# Altium PCB FMC_ADC_130M_16B_4CH.PcbDoc (part 1 of 8) (continued)
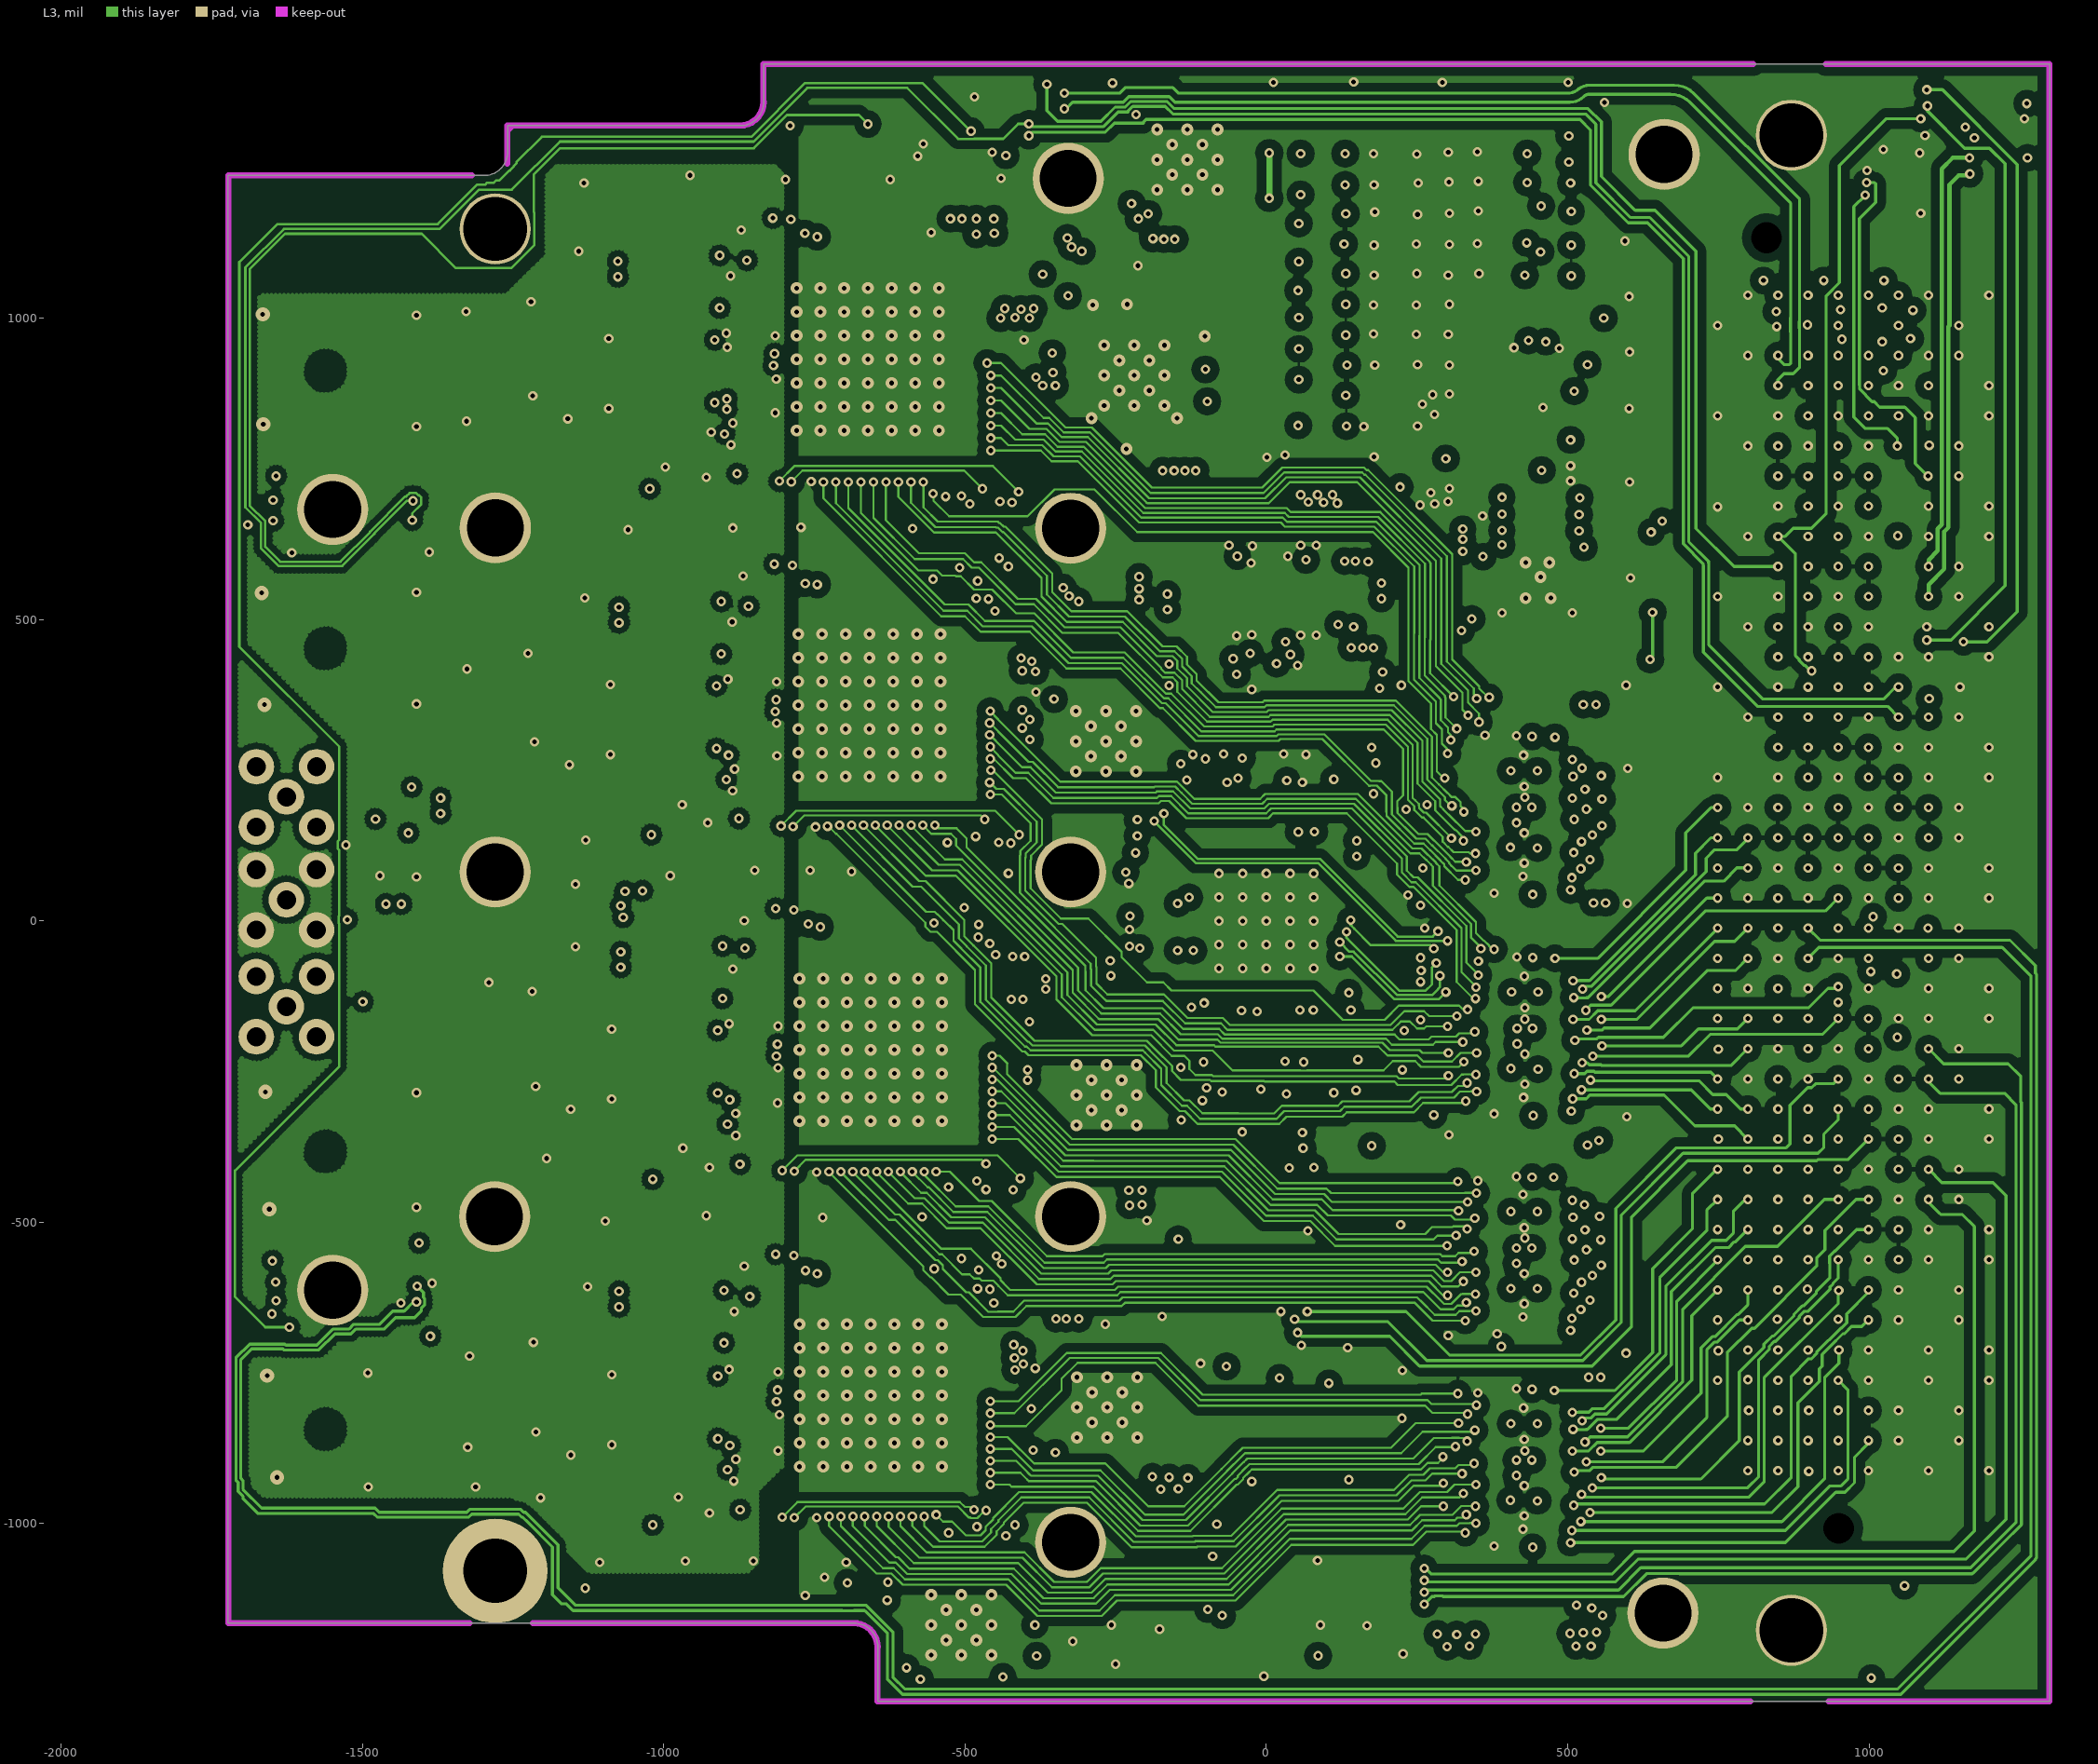
[diagram p3: L3]
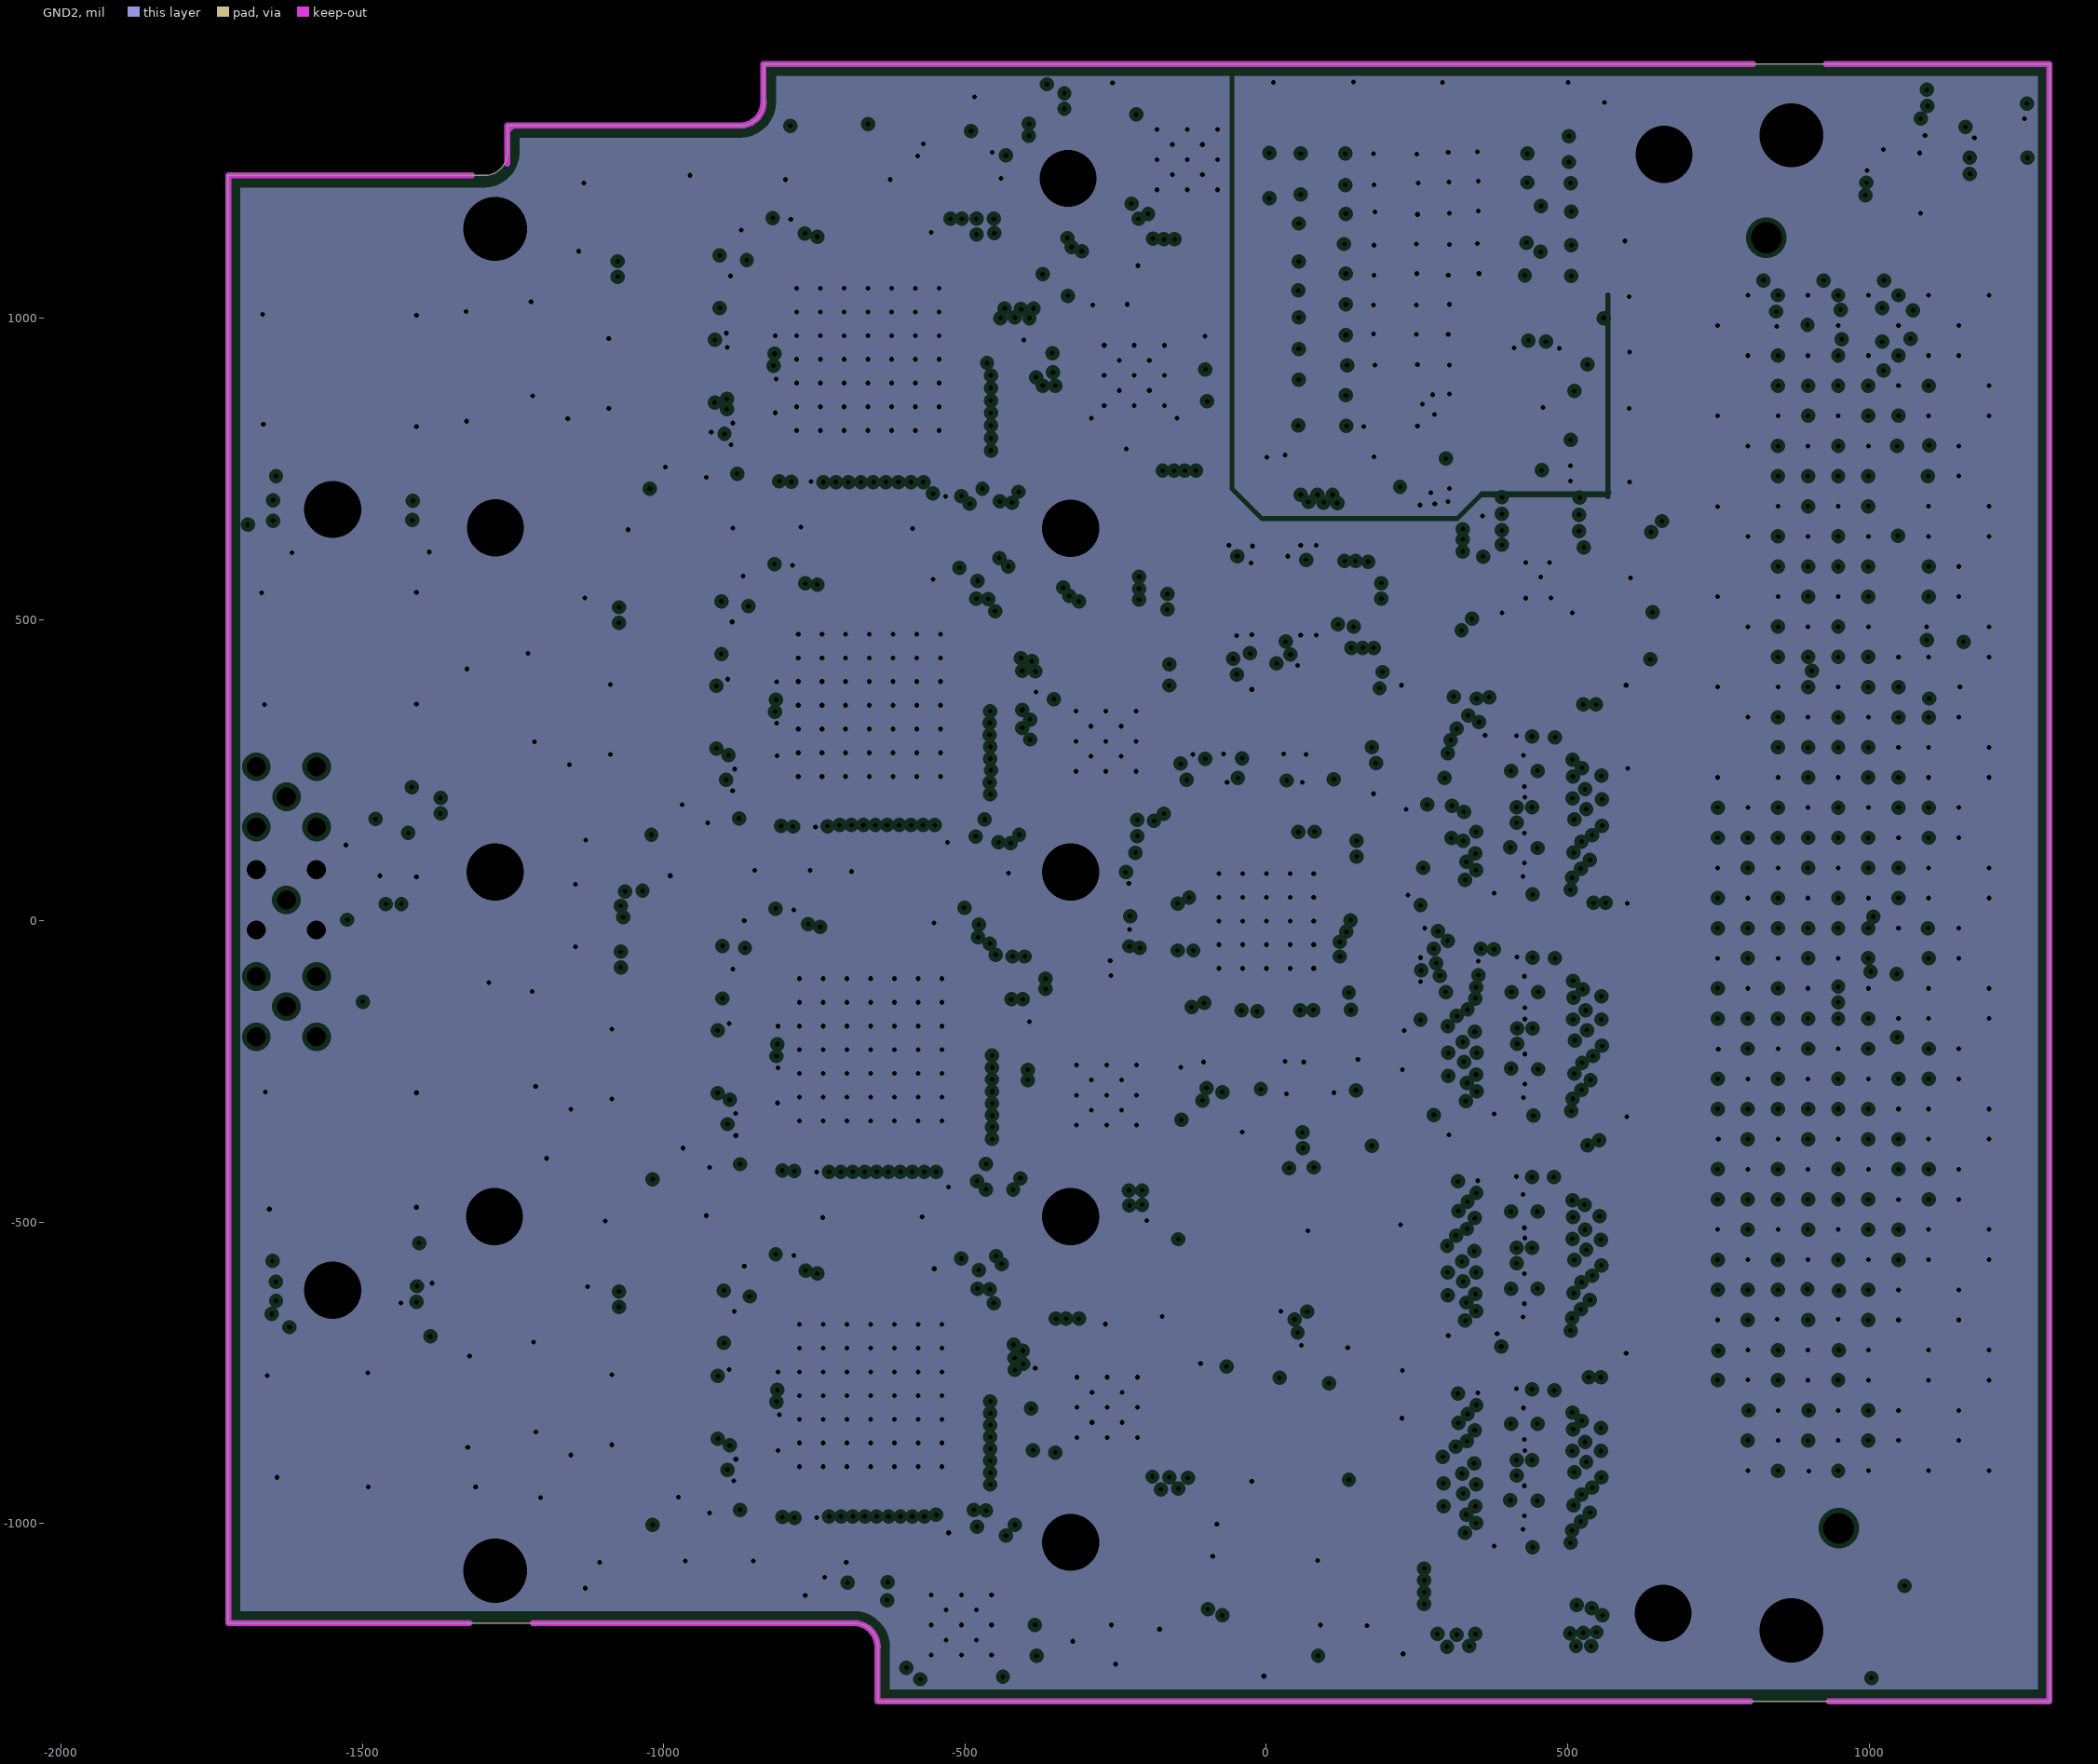
[diagram p4: GND2, clearances drawn from the general rule]
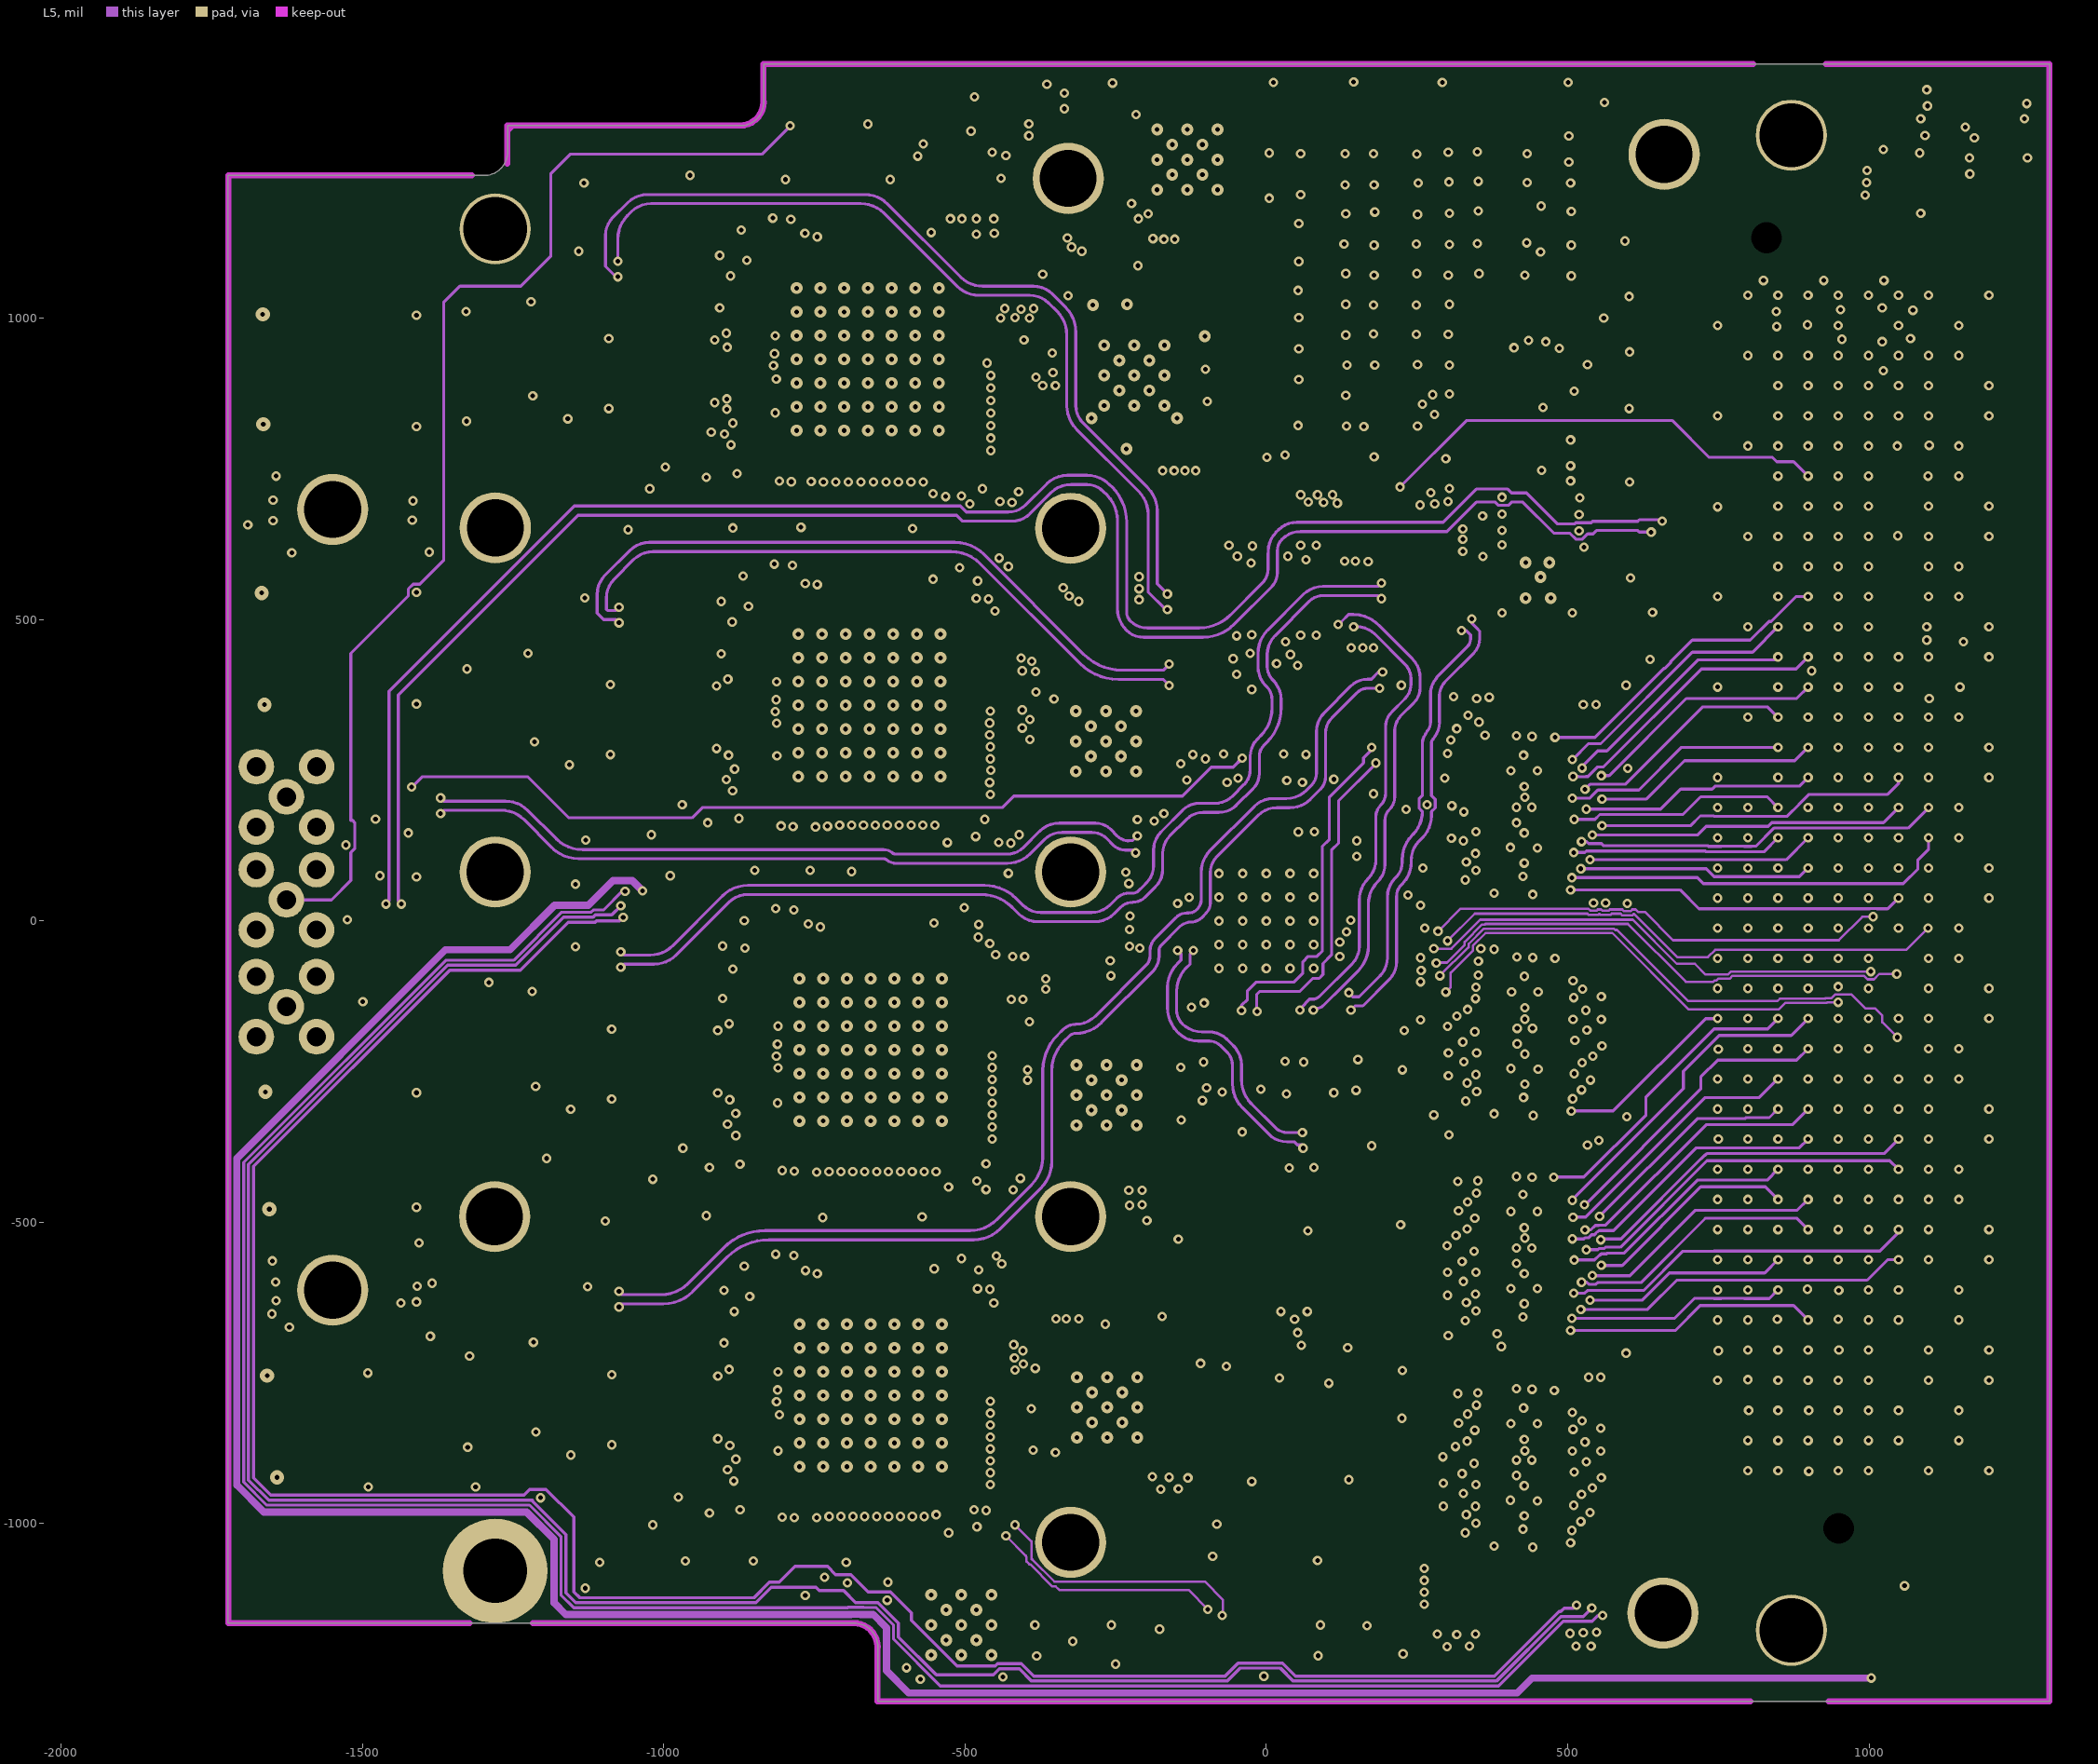
[diagram p5: L5]
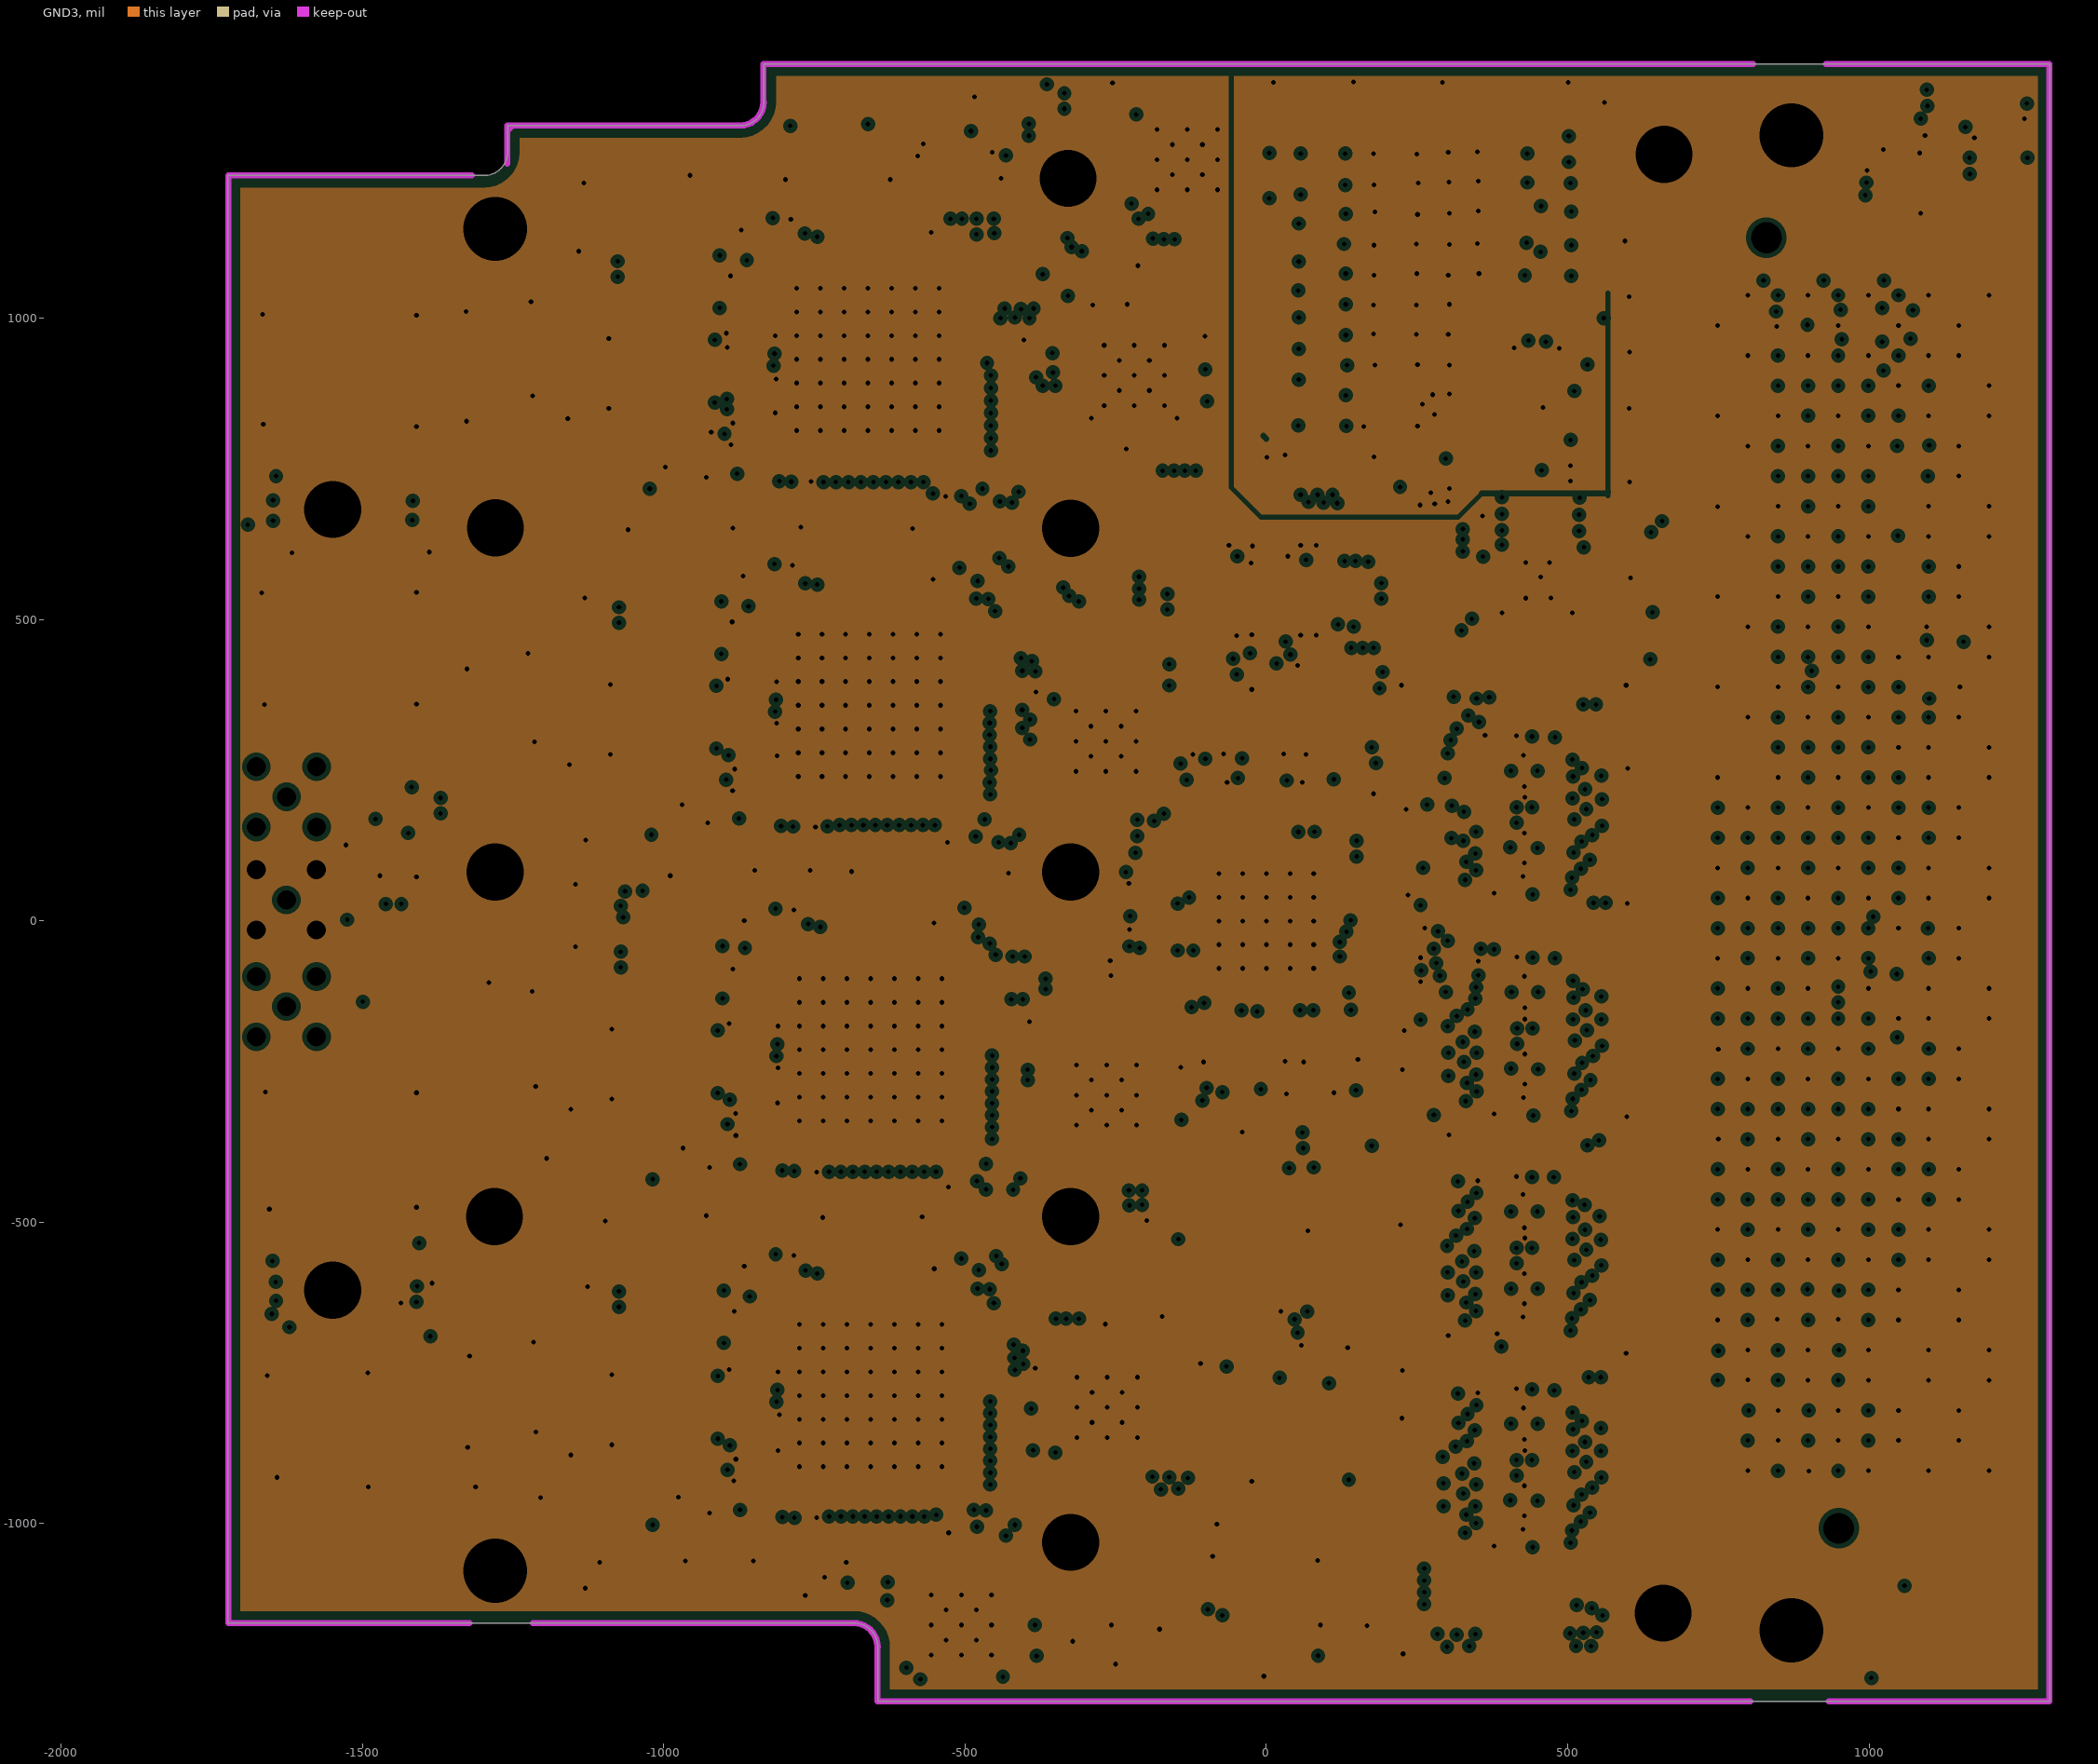
[diagram p6: GND3, clearances drawn from the general rule]